# Altium PCB BEE_BOARD_ROTATED.PcbDoc (part 1 of 3) (continued)
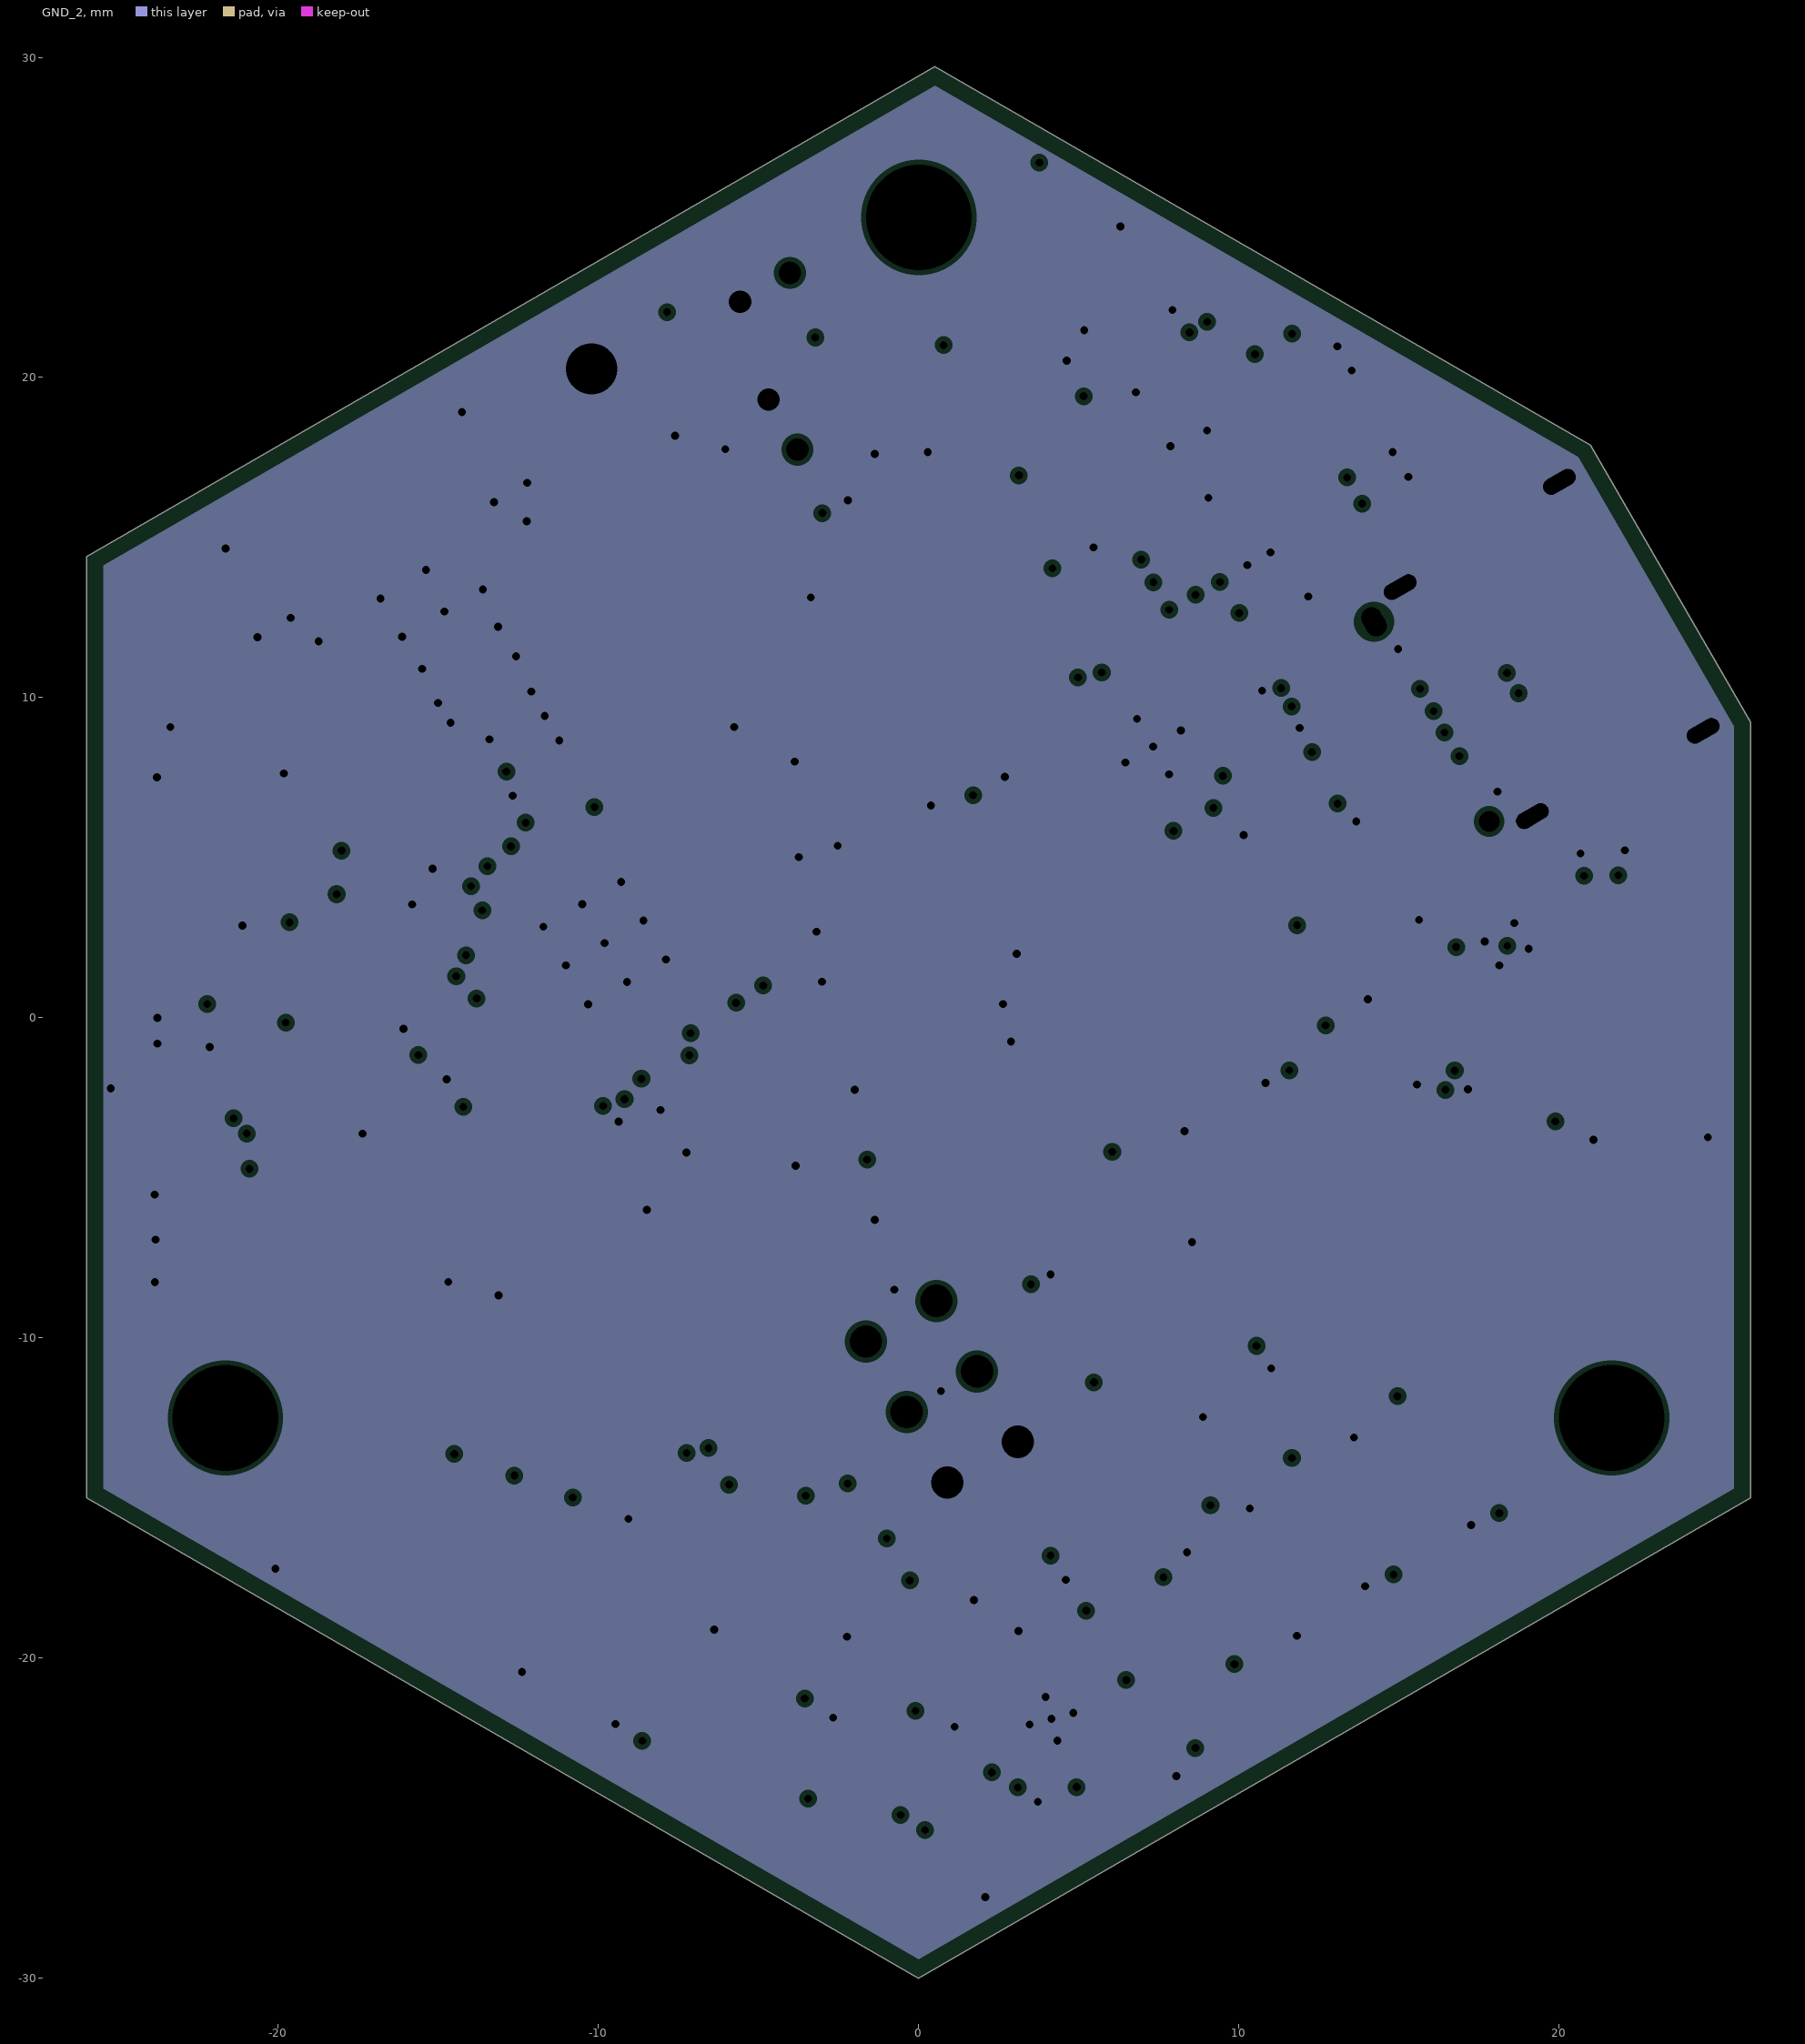
[diagram p4: GND_2, clearances drawn from the general rule]
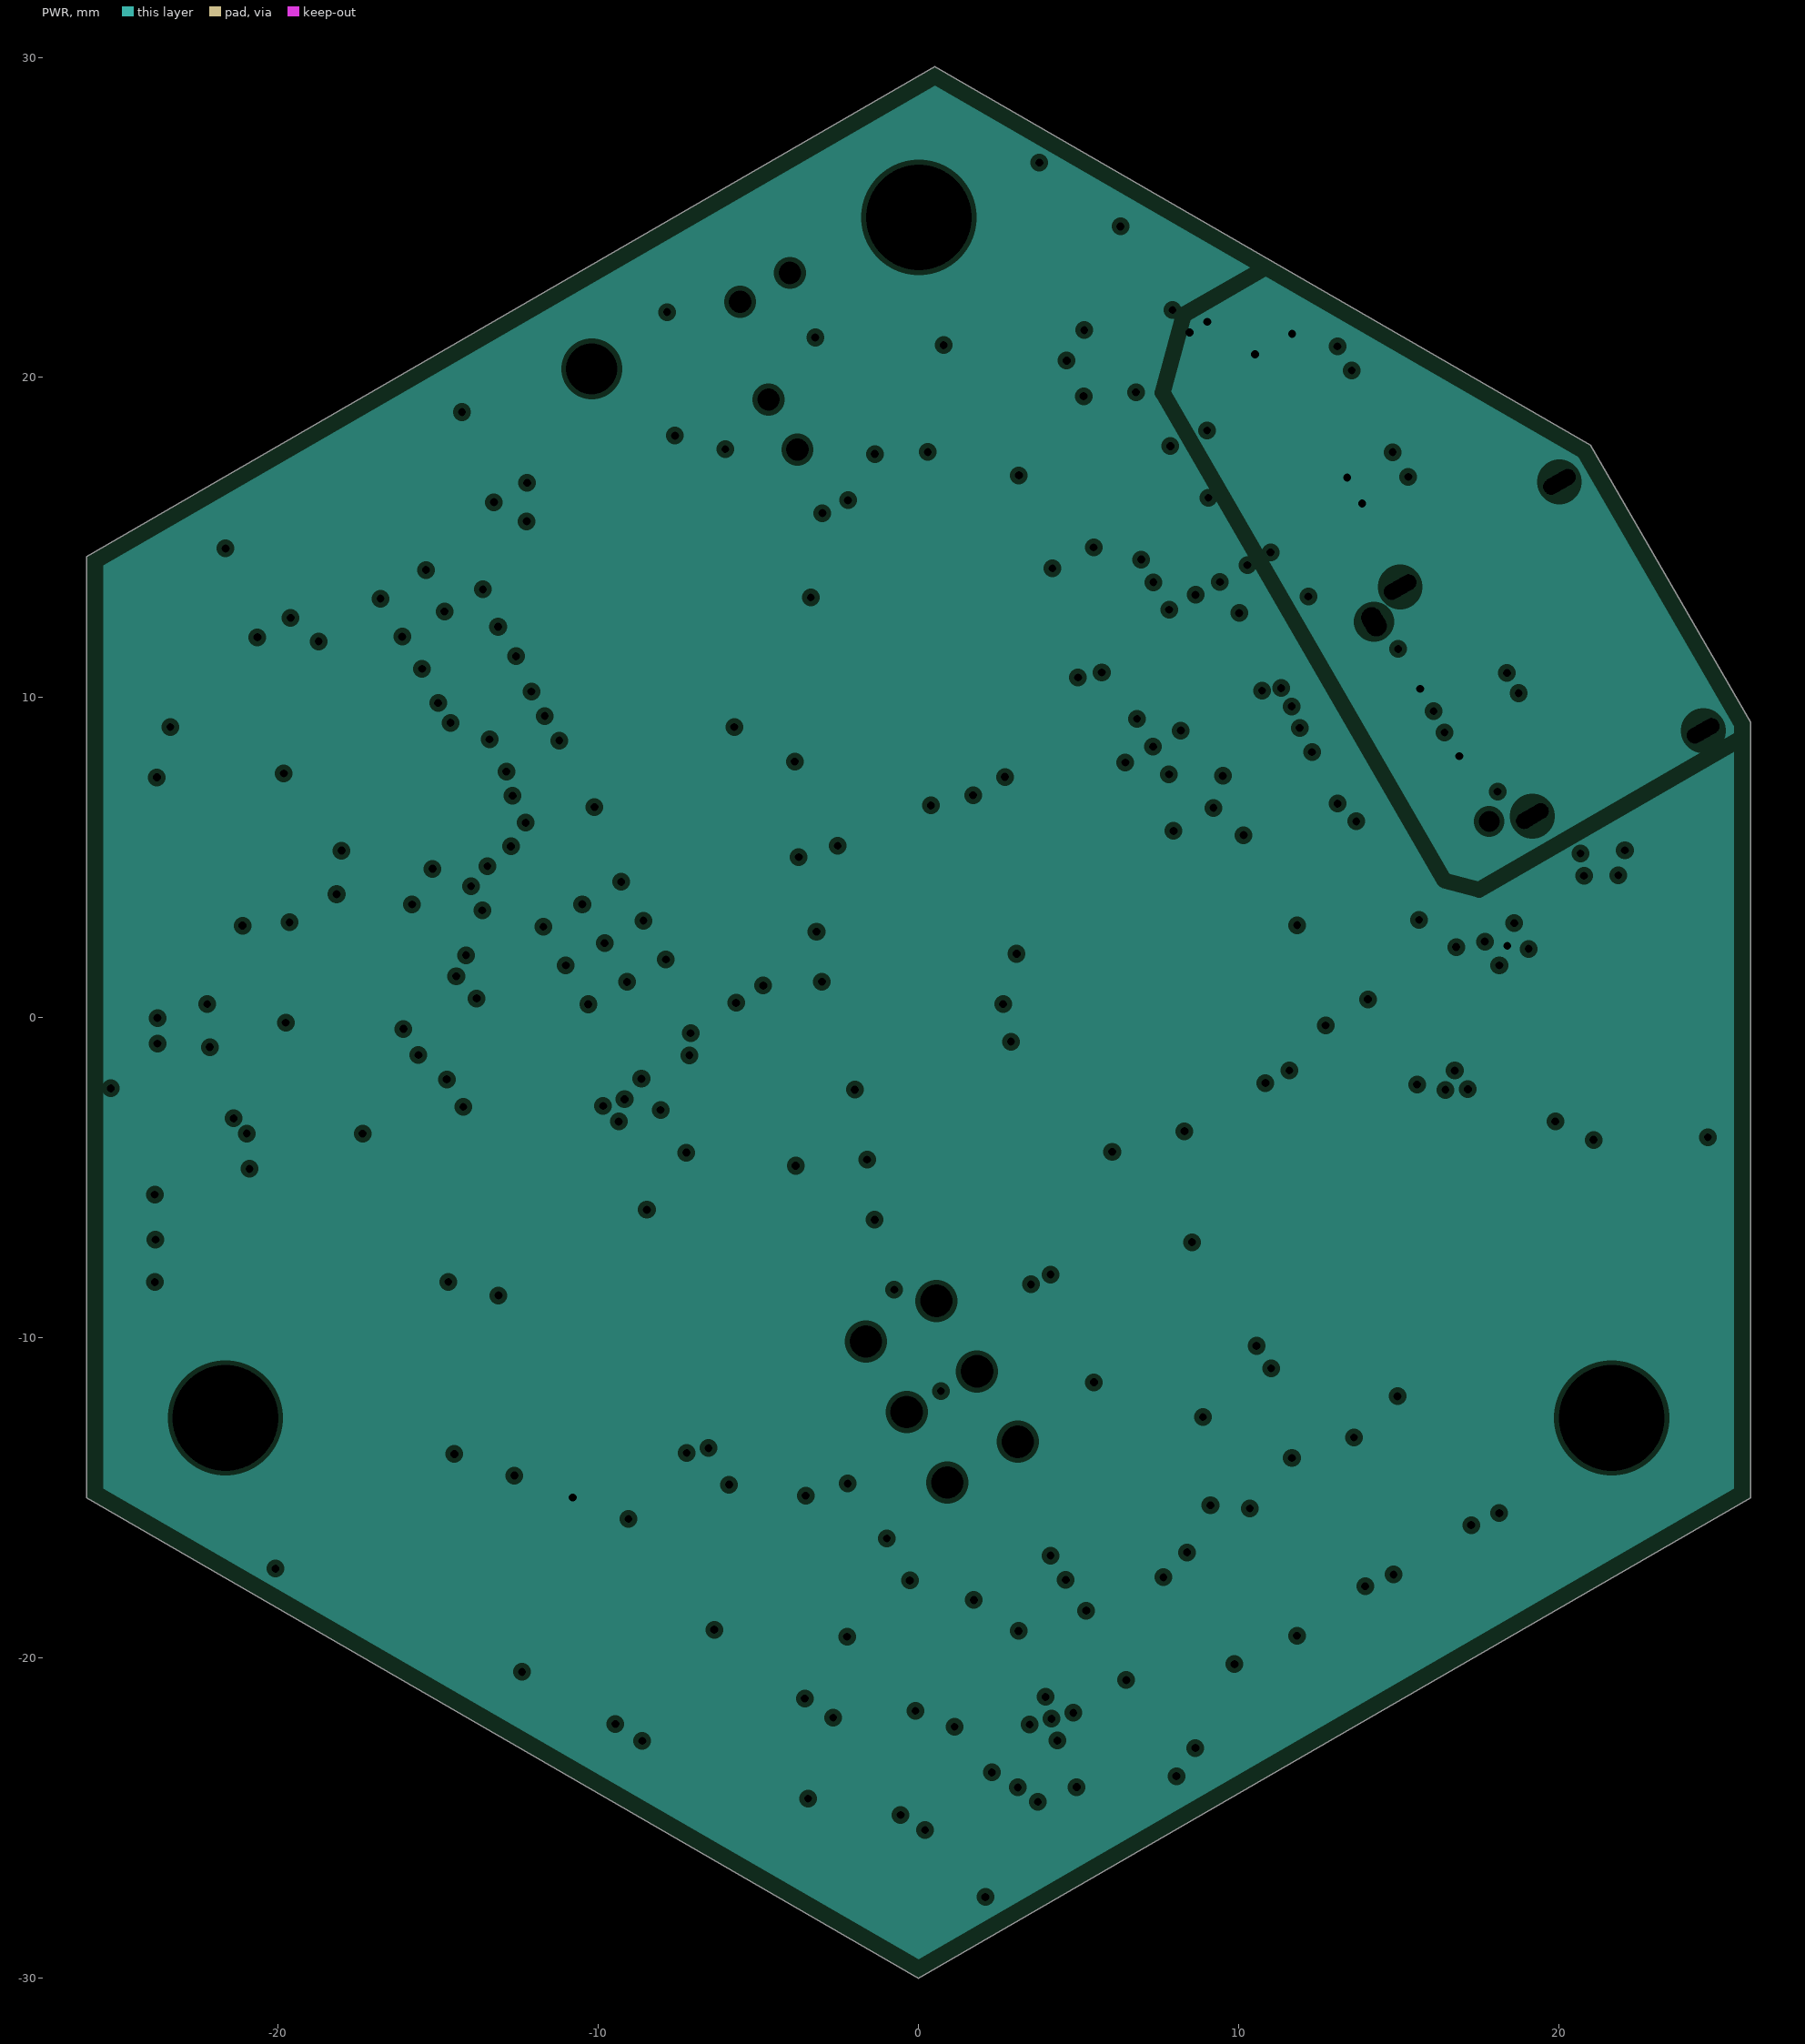
[diagram p5: PWR, clearances drawn from the general rule]
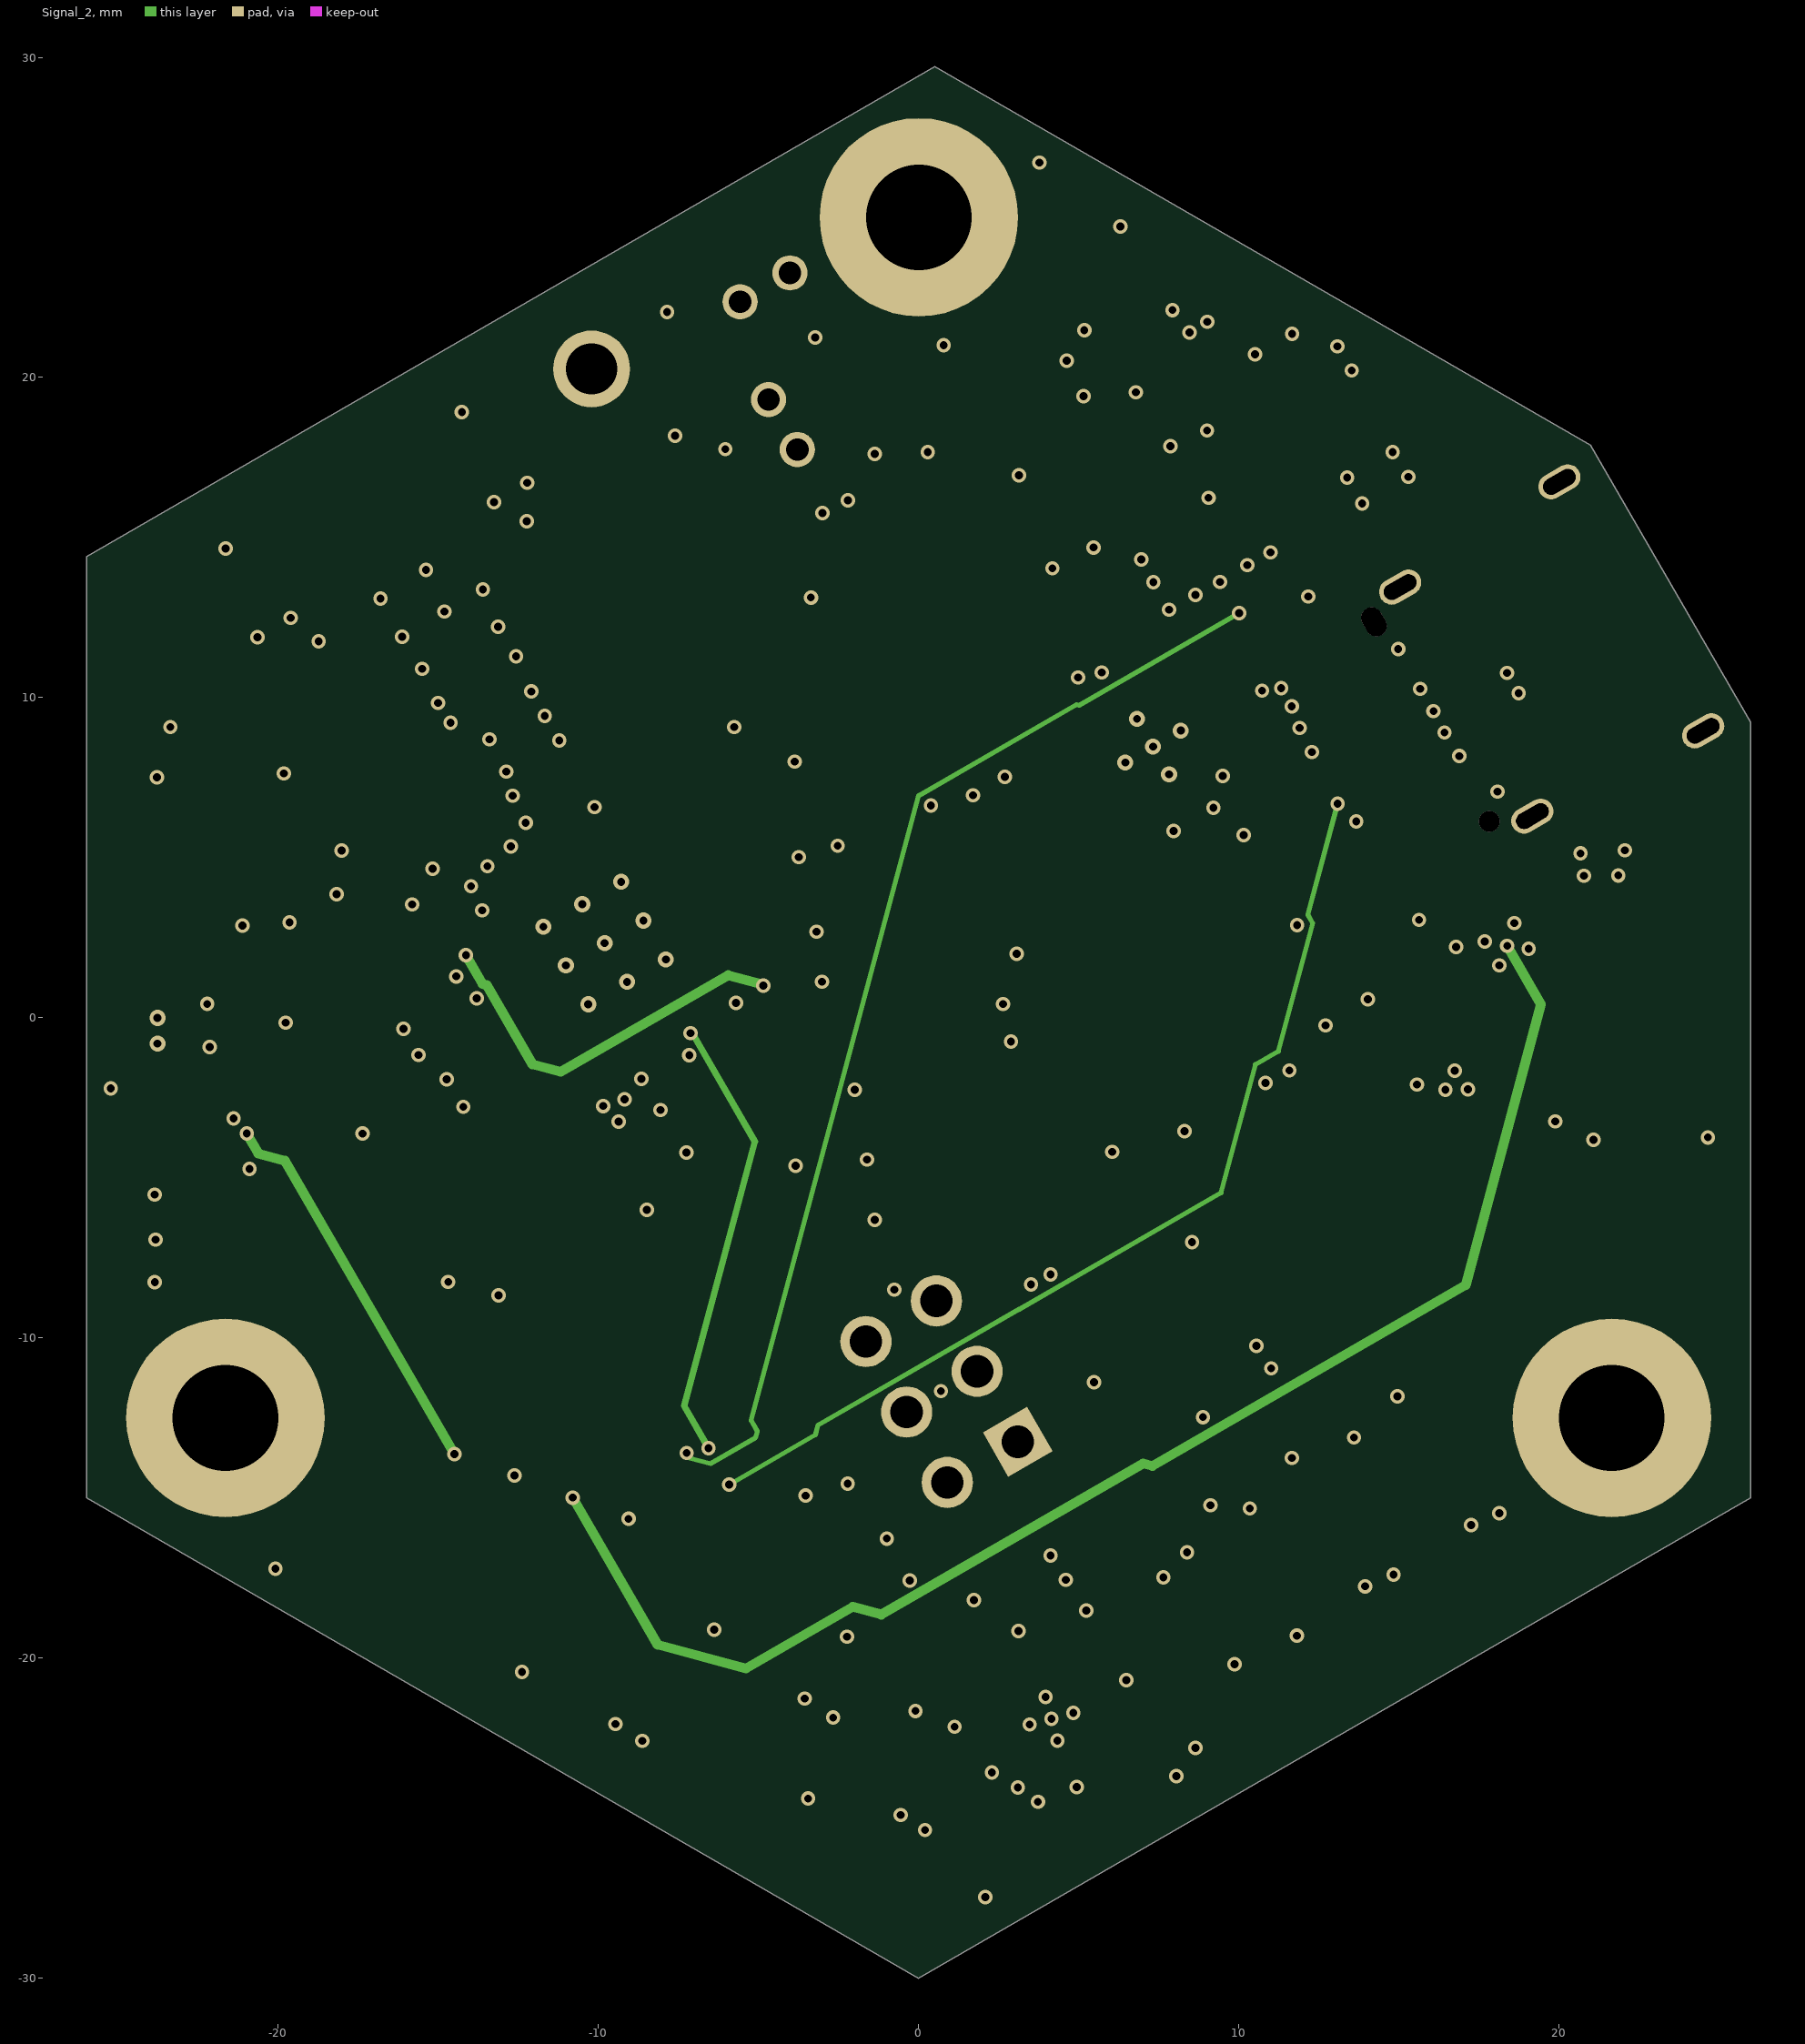
[diagram p6: Signal_2]
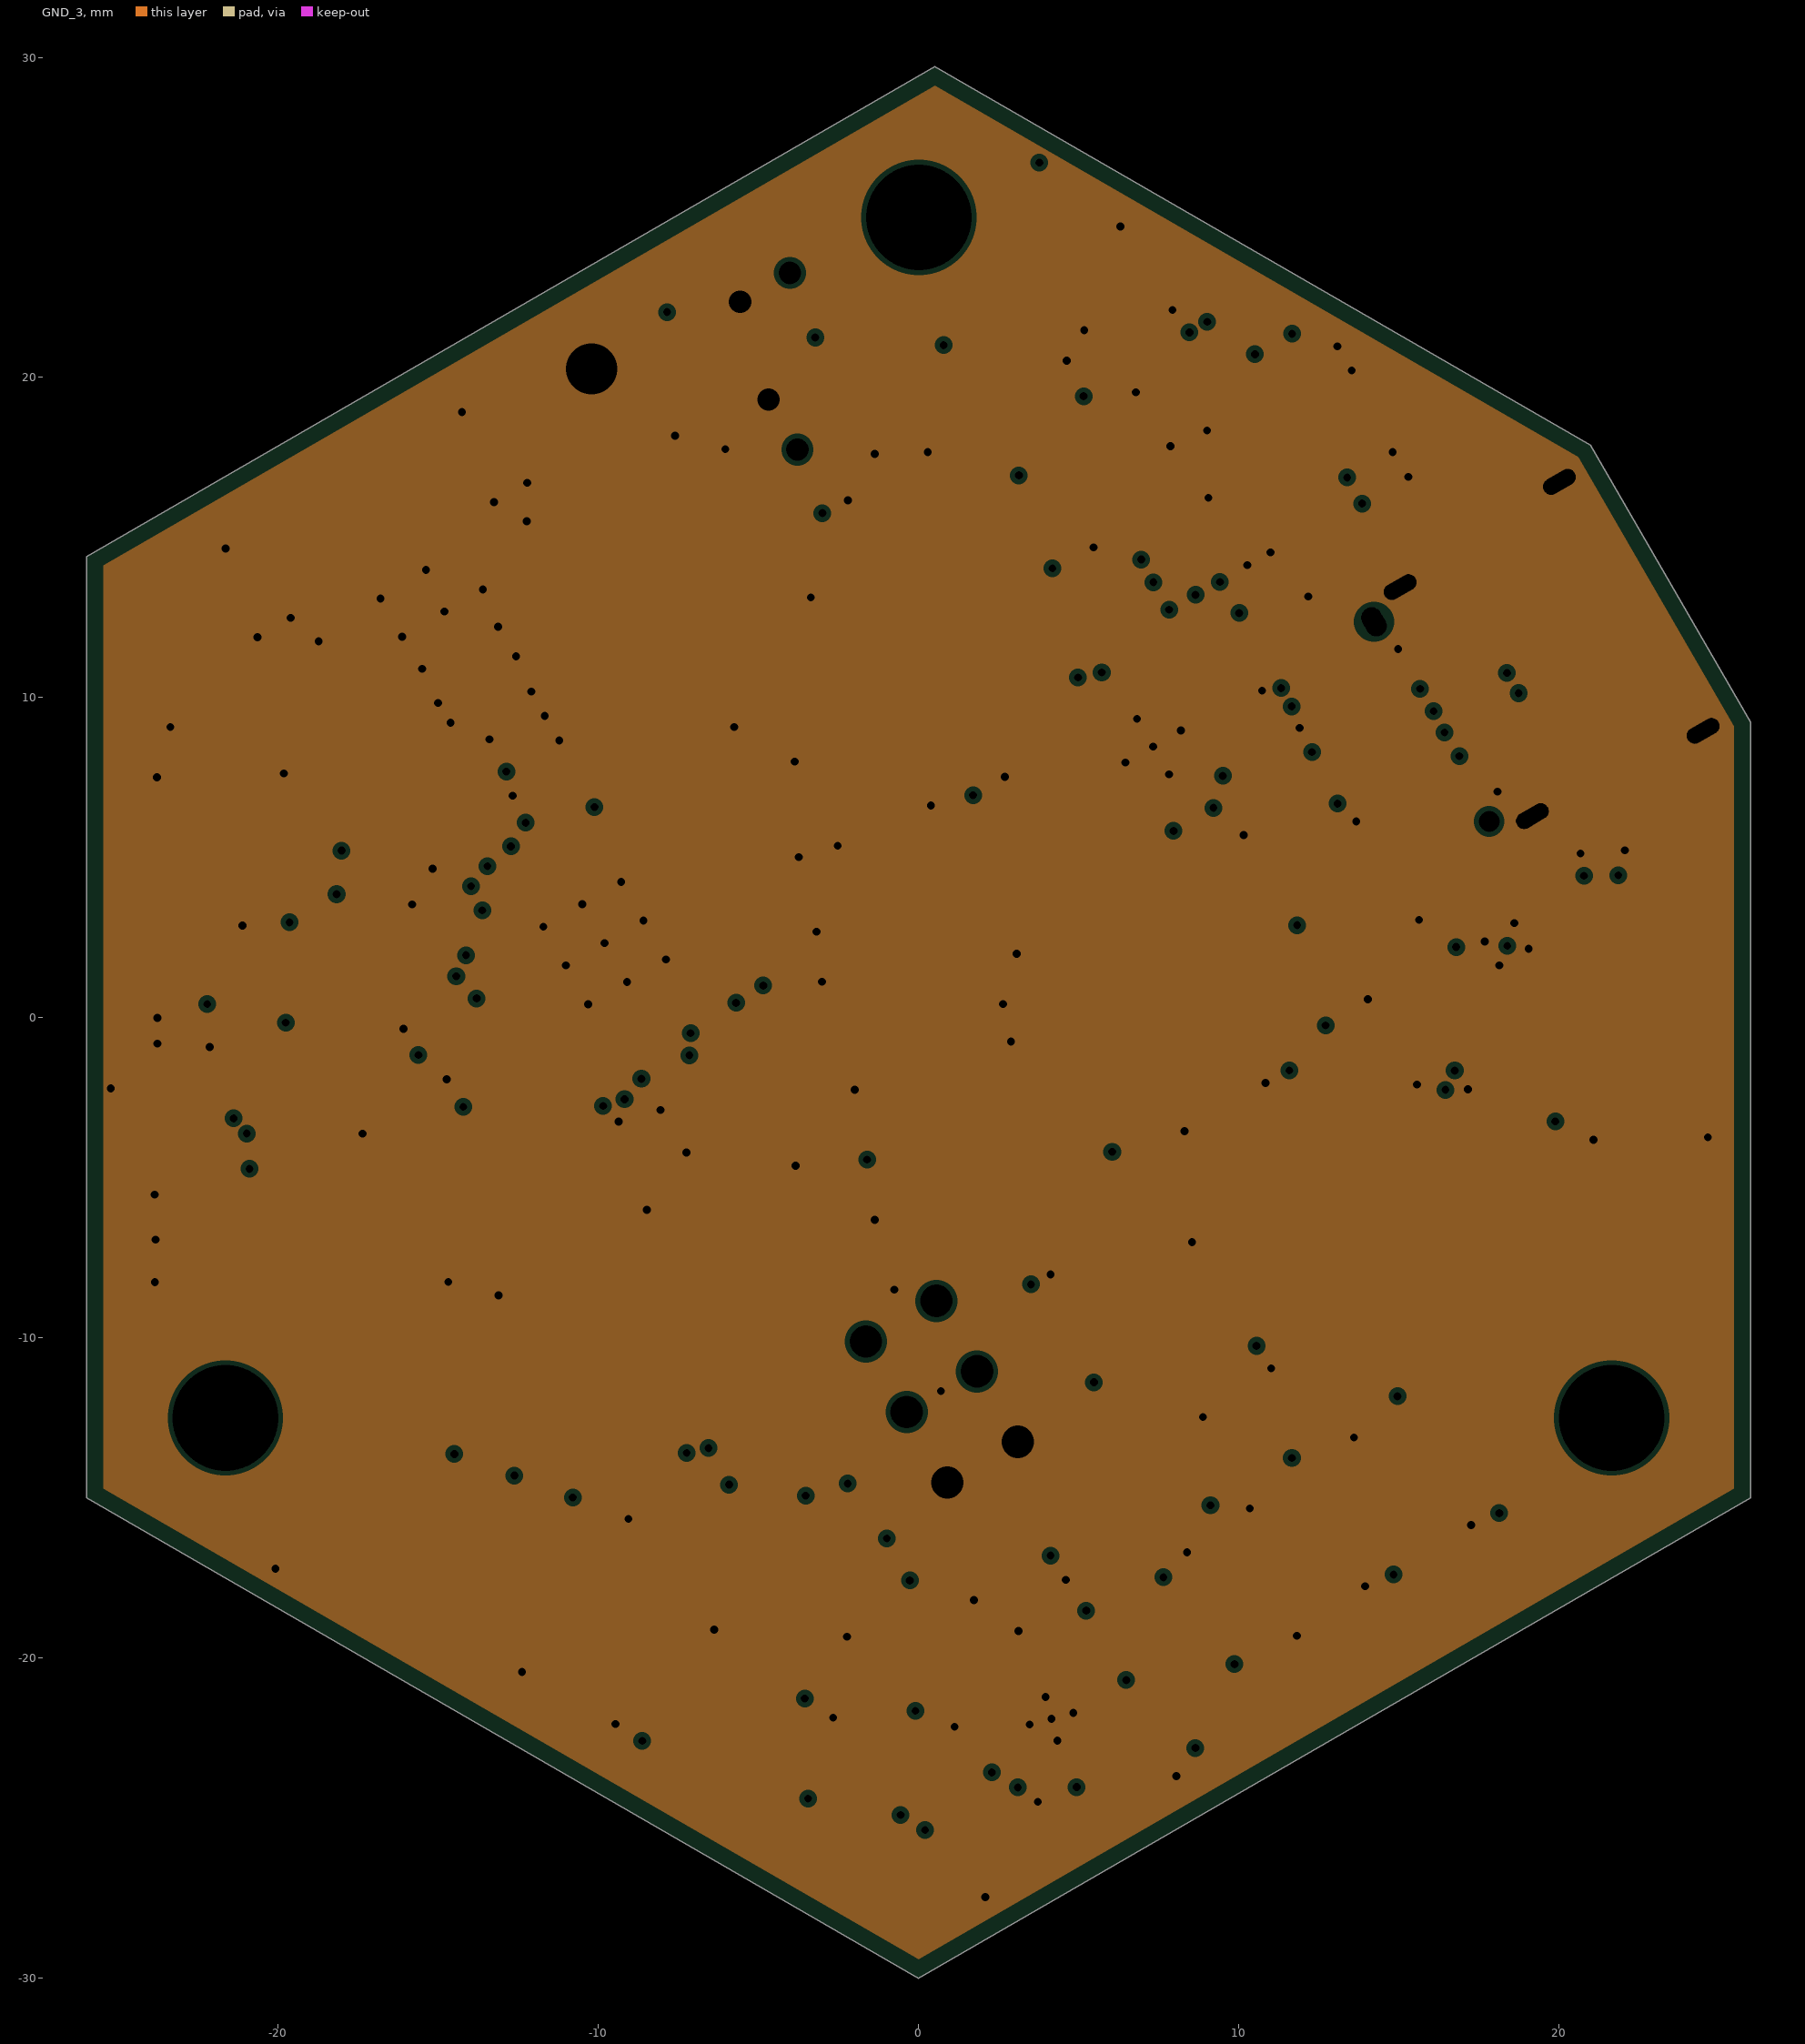
[diagram p7: GND_3, clearances drawn from the general rule]
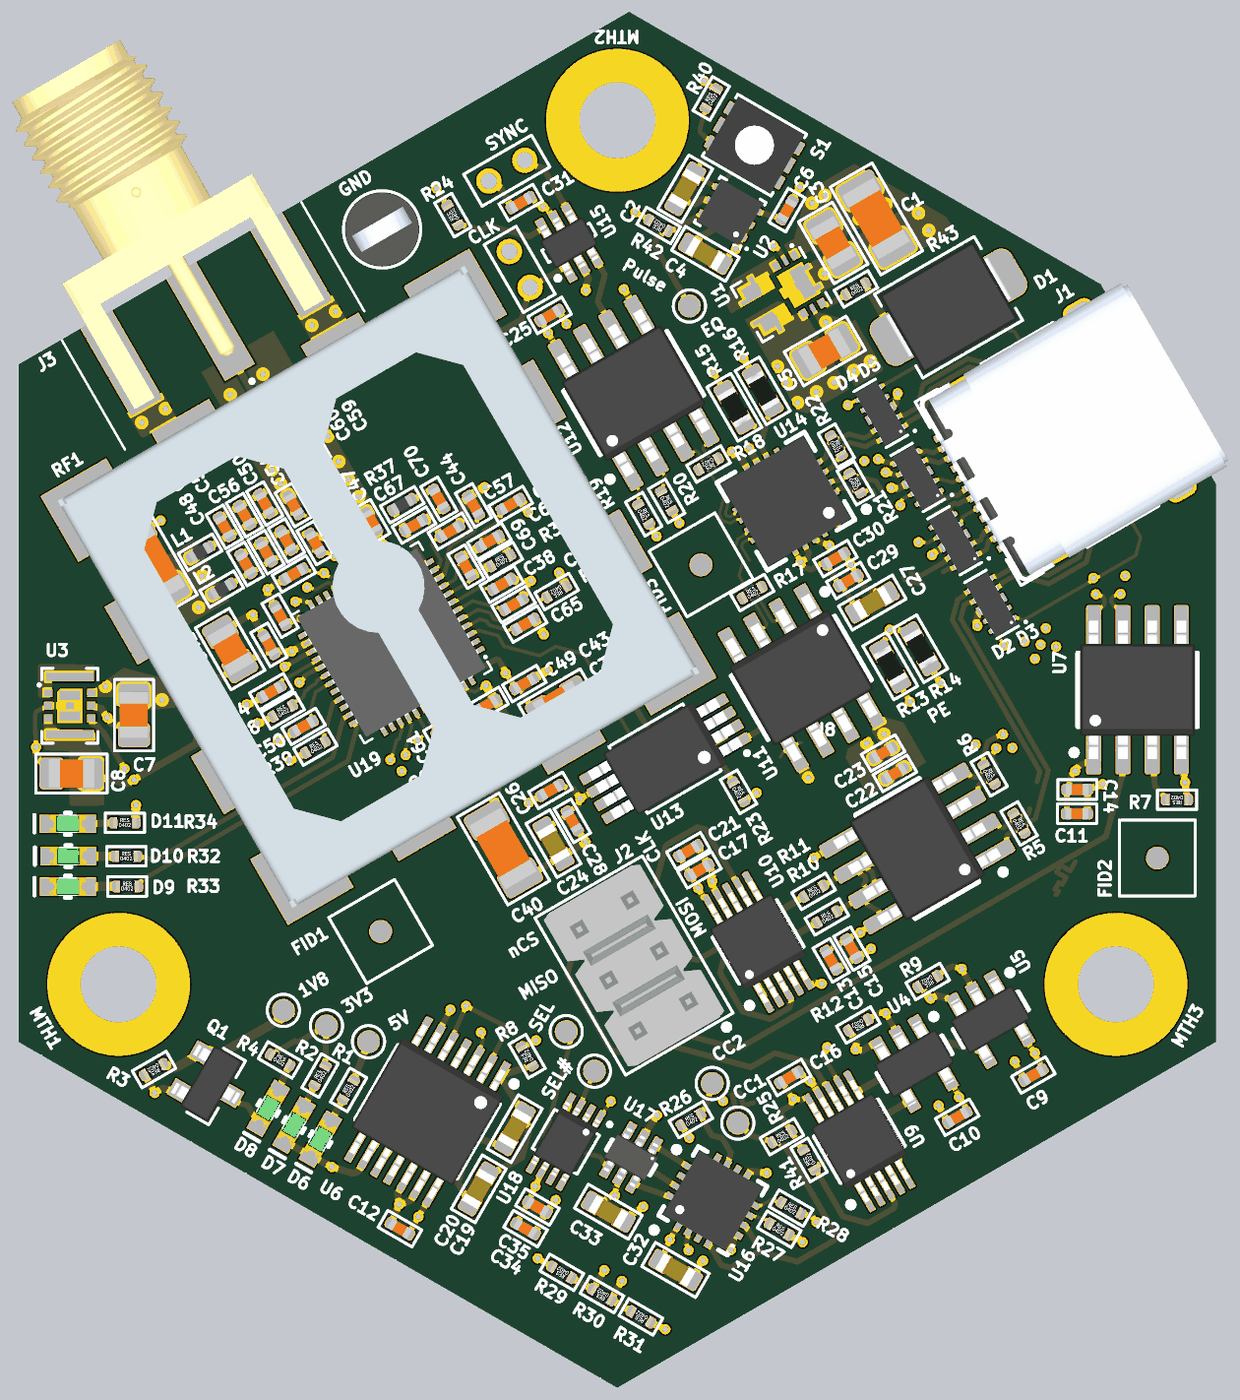
[diagram p10: 3D render of the assembled board from above, using the file's embedded part models]

## Layer stack, top to bottom
Top Solder: solder mask 0.0254, Solder Resist, Dk 4
Top: signal copper 0.07
Dielectric 1: prepreg 0.18, PP-006, Dk 4.29
GND_1: plane copper 0.035, net GND
Dielectric 2: core 0.2, Core-009, Dk 4.5
Signal_1: signal copper 0.035
Dielectric 3: prepreg 0.18, PP-006, Dk 4.29
GND_2: plane copper 0.035, net GND
Dielectric 4: core 0.2, Core-009, Dk 4.5
PWR: plane copper 0.035, net (Multiple Nets)
Dielectric 5: prepreg 0.18, PP-006, Dk 4.29
Signal_2: signal copper 0.035
Dielectric 6: core 0.2, Core-009, Dk 4.5
GND_3: plane copper 0.035, net GND
Dielectric 7: prepreg 0.18, PP-006, Dk 4.29
Bottom: signal copper 0.07
Bottom Solder: solder mask 0.0152, Solder Resist, Dk 3.5

## Board outline
-25.981,-15 0,-30 25.981,-15 25.981,9.226 20.981,17.887 0.51,29.705 -25.981,14.411
